# Altium PCB DevKITV3.PcbDoc (part 4 of 5)
Units mm, origin at the board's own origin, x right, y up, seen from the top; angles counter-clockwise.
Board outline 140 x 140 mm, 8 copper layers (Top Layer, Layer 2, Layer 3, Layer 4, Layer 5, Layer 6, Layer 7, Bottom Layer), stack 1.479 mm thick; 438 components, 315 nets, 1726 pads, 441 vias.
Unrouted connection lines stored in the file: 394.
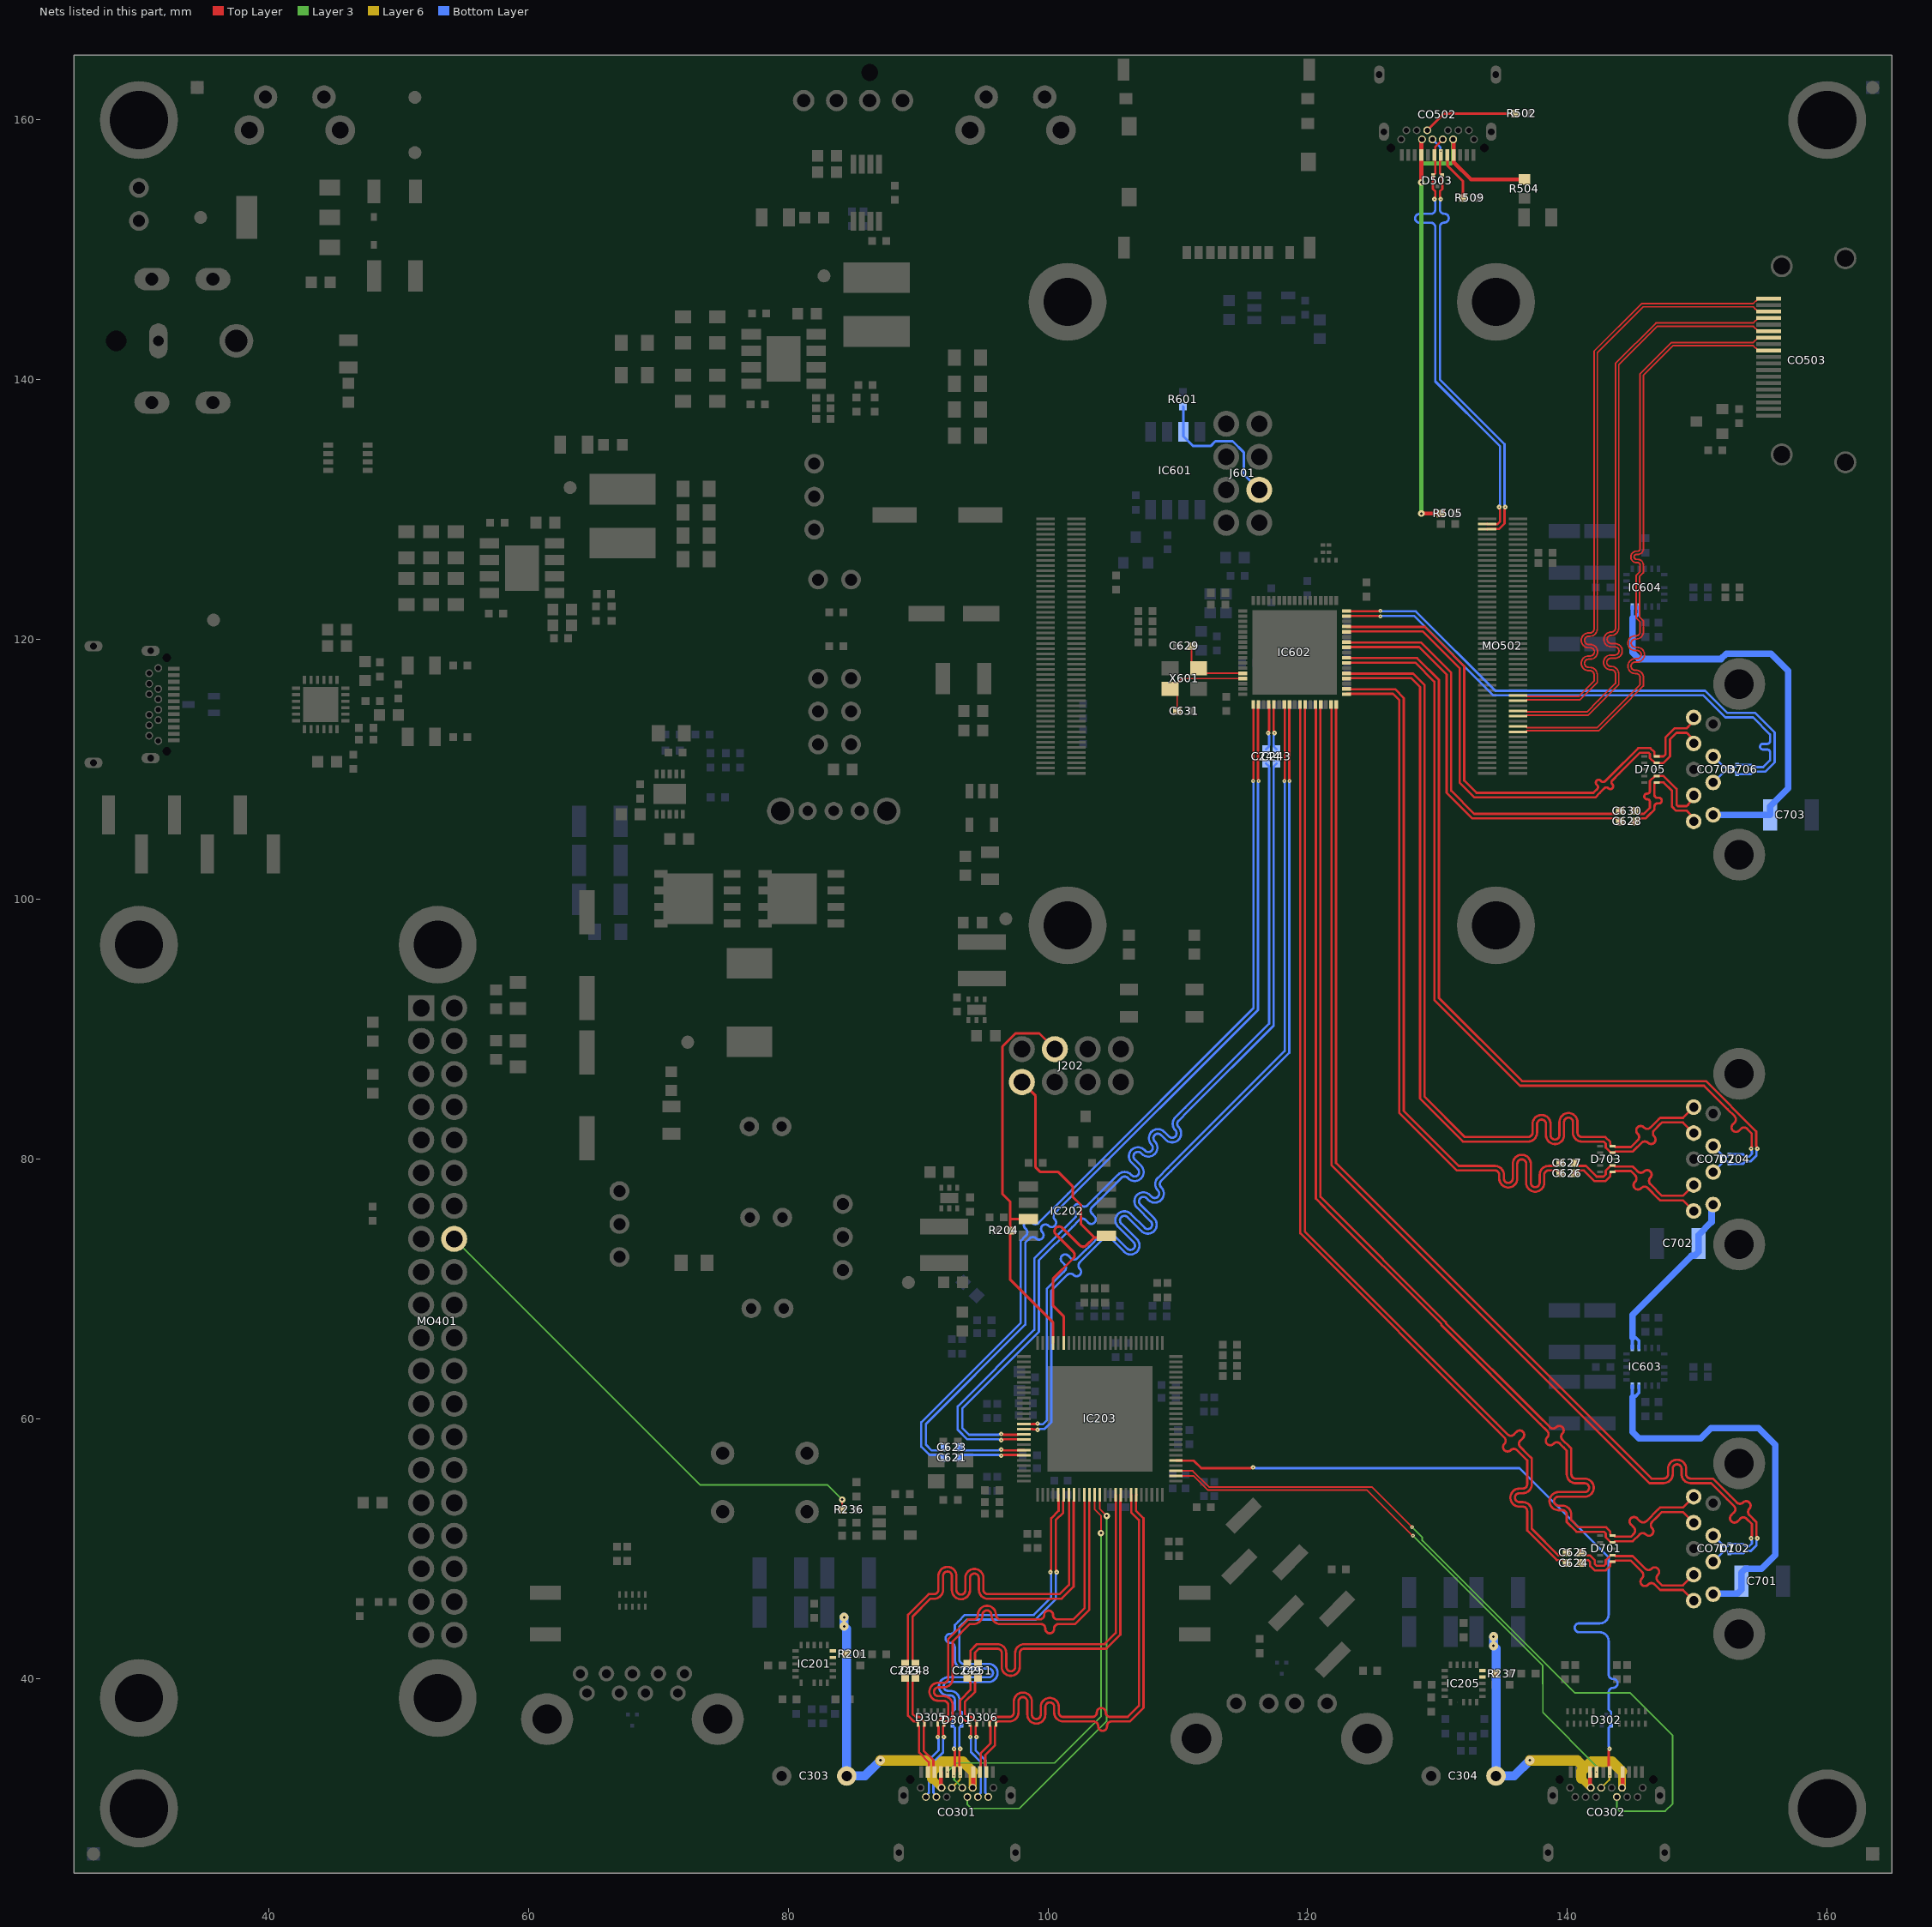
[diagram p10: the nets of this part, all layers, seen from the top]

## Via types
v1: diameter 0.3, hole 0.1, Top Layer to Bottom Layer, 136 vias
v2: diameter 0.35, hole 0.1, Top Layer to Bottom Layer, 106 vias
v3: diameter 1, hole 0.5, Top Layer to Bottom Layer, 54 vias
v4: diameter 0.5, hole 0.2, Top Layer to Bottom Layer, 53 vias
v5: diameter 0.7, hole 0.2, Top Layer to Bottom Layer, 37 vias
v6: diameter 0.6, hole 0.33, Top Layer to Bottom Layer, 36 vias
v7: diameter 0.45, hole 0.2, Top Layer to Bottom Layer, 15 vias
v8: diameter 0.4, hole 0.1, Top Layer to Bottom Layer, 2 vias
v9: diameter 1, hole 0.2, Top Layer to Bottom Layer, 1 vias
v10: diameter 1, hole 0.25, Top Layer to Bottom Layer, 1 vias

## Nets (pads, with @x,y where several pads share a name; then routed paths per layer and width w, separated by ;. In a path a pad name is that pad's centre, name@x,y a point inside that pad or via, vN(x,y) a via of type N, cw(c..) or ccw(c..) an arc to the next point about the centre after c; other vN are vias at no path point) (continued)
SPI_MOSI_U7252: IC202.5 IC203.70 J202.2 | length 30.5
  Top Layer w0.2: J202.2@97.99,85.93 99.05,84.87 99.05,79.367 99.417,79 100.8,79 101.9,77.9 101.9,77.1 102.534,76.466 102.534,75.001 103.567,73.967 ; IC203.70@101.2,65.85 101.2,67.9 100.4,68.7 100.4,70.8 101.882,72.282 101.953,72.353 ccw(c101.702,72.603) 101.953,72.853 100.605,74.201 cw(c100.855,74.451) 100.605,74.702 cw(c100.855,74.451) 101.106,74.702 102.453,73.354 ccw(c102.704,73.604) 102.954,73.354 103.567,73.967 ; IC202.5@104.5,74.1 104.367,73.967 103.567,73.967
SPI_WP: IC601.3 J601.3 R601.2 | length 11.2
  Bottom Layer w0.2: R601.2@110.4,137.95 110.43,137.92 IC601.3@110.43,136 110.43,135.65 111.18,134.9 112.519,134.9 112.889,135.27 114.227,135.27 115.07,134.427 115.07,132.73 J601.3@116.27,131.53
SPI_WP_U7252: IC202.3 IC203.72 J202.3 R204.1 | length 30.8
  Top Layer w0.2: IC202.3@98.5,75.37 97.1,75.37 ; IC203.72@100.4,65.85 100.4,67.4 97.1,70.7 97.1,75.37 ; J202.3@100.53,88.47 99.33,89.67 97.493,89.67 96.49,88.667 96.49,77.31 97.1,76.7 97.1,75.37
SSXI: C629.2 IC602.47 X601.1 | length 5.5
  Top Layer w0.125: C629.2@111.05,119.5 111.05,118.287 111.537,117.8 X601.1@111.6,117.8 112,117.4 IC602.47@115,117.4
SSXO: C631.1 IC602.48 X601.3 | length 7.8
  Top Layer w0.125: X601.3@109.4,116.2 X601.3@109.5,116.2 ; C631.1@109.95,114.5 109.95,115.75 X601.3@109.5,116.2 ; IC602.48@115,117 110.3,117 X601.3@109.5,116.2
TD0_N: CO503.9 MO502.184 | length 49.4
  Top Layer w0.125: MO502.184@136.19,112.9 136.805,112.9 136.88,112.974 142.404,112.974 144.004,114.574 145.851,116.421 145.851,116.881 145.851,117.069 ccw(c145.284,117.069) 145.284,117.636 145.218,117.636 cw(c145.218,117.953) 144.901,117.953 cw(c145.218,117.953) 145.218,118.269 145.365,118.269 ccw(c145.365,118.837) 145.933,118.837 ccw(c145.365,118.837) 145.365,119.404 145.218,119.404 cw(c145.218,119.721) 144.901,119.721 cw(c145.218,119.721) 145.218,120.037 145.284,120.037 ccw(c145.284,120.605) 145.851,120.605 145.851,121.346 145.851,121.45 145.551,121.75 145.551,124.842 145.851,125.142 145.851,125.547 145.851,125.735 ccw(c145.411,125.735) 145.411,126.175 145.324,126.175 cw(c145.324,126.365) 145.134,126.365 cw(c145.324,126.365) 145.324,126.554 145.411,126.554 ccw(c145.411,126.995) 145.851,126.995 145.851,127.533 145.851,140.351 148.125,142.625 154.314,142.625 154.387,142.551 154.387,142.533 154.483,142.438 154.513,142.438 154.7,142.25 CO503.9@155.5,142.25
TD0_P: CO503.7 MO502.182 | length 49.4
  Top Layer w0.125: MO502.182@136.19,113.3 136.805,113.3 136.88,113.225 142.3,113.225 143.9,114.825 145.6,116.525 145.6,116.881 145.6,117.069 ccw(c145.284,117.069) 145.284,117.385 145.218,117.385 cw(c145.218,117.953) 144.65,117.953 cw(c145.218,117.953) 145.218,118.52 145.365,118.52 ccw(c145.365,118.837) 145.682,118.837 ccw(c145.365,118.837) 145.365,119.153 145.218,119.153 cw(c145.218,119.721) 144.65,119.721 cw(c145.218,119.721) 145.218,120.288 145.284,120.288 ccw(c145.284,120.605) 145.6,120.605 145.6,121.346 145.3,121.646 145.3,124.946 145.6,125.246 145.6,125.547 145.6,125.735 ccw(c145.411,125.735) 145.411,125.924 145.324,125.924 cw(c145.324,126.365) 144.883,126.365 cw(c145.324,126.365) 145.324,126.805 145.411,126.805 ccw(c145.411,126.995) 145.6,126.995 145.6,127.533 145.6,140.455 148.021,142.876 154.314,142.876 154.387,142.949 154.387,142.967 154.483,143.063 154.513,143.063 154.7,143.25 CO503.7@155.5,143.25
TD1_N: CO503.6 MO502.178 | length 49
  Top Layer w0.125: MO502.178@136.19,114.1 136.805,114.1 136.88,114.174 141.604,114.174 142.479,115.049 143.951,116.521 143.951,117.169 143.951,117.357 ccw(c143.384,117.357) 143.384,117.925 143.345,117.925 cw(c143.345,118.241) 143.028,118.241 cw(c143.345,118.241) 143.345,118.558 143.653,118.558 ccw(c143.653,119.125) 144.22,119.125 ccw(c143.653,119.125) 143.653,119.693 143.373,119.693 cw(c143.373,120.009) 143.056,120.009 cw(c143.373,120.009) 143.373,120.326 143.384,120.326 ccw(c143.384,120.893) 143.951,120.893 143.951,125.188 143.951,141.151 146.925,144.125 154.314,144.125 154.387,144.051 154.387,144.033 154.483,143.937 154.513,143.937 154.7,143.75 CO503.6@155.5,143.75
TD1_P: CO503.4 MO502.176 | length 49
  Top Layer w0.125: MO502.176@136.19,114.5 136.805,114.5 136.88,114.425 141.5,114.425 142.375,115.3 143.7,116.625 143.7,117.169 143.7,117.357 ccw(c143.384,117.357) 143.384,117.674 143.345,117.674 cw(c143.345,118.241) 142.777,118.241 cw(c143.345,118.241) 143.345,118.809 143.653,118.809 ccw(c143.653,119.125) 143.969,119.125 ccw(c143.653,119.125) 143.653,119.442 143.373,119.442 cw(c143.373,120.009) 142.805,120.009 cw(c143.373,120.009) 143.373,120.577 143.384,120.577 ccw(c143.384,120.893) 143.7,120.893 143.7,125.188 143.7,141.255 146.821,144.376 154.314,144.376 154.387,144.449 154.387,144.467 154.483,144.563 154.512,144.563 154.7,144.75 CO503.4@155.5,144.75
TD2_N: CO503.3 MO502.172 | length 49.4
  Top Layer w0.125: MO502.172@136.19,115.3 136.805,115.3 136.88,115.375 140.979,115.375 141.279,115.674 142.3,116.695 142.3,117.1 142.3,117.288 ccw(c141.733,117.288) 141.733,117.856 141.631,117.856 cw(c141.631,118.172) 141.314,118.172 cw(c141.631,118.172) 141.631,118.489 141.757,118.489 ccw(c141.757,119.056) 142.324,119.056 ccw(c141.757,119.056) 141.757,119.624 141.631,119.624 cw(c141.631,119.94) 141.314,119.94 cw(c141.631,119.94) 141.631,120.257 141.733,120.257 ccw(c141.733,120.824) 142.3,120.824 142.3,124.5 142.3,142.1 145.825,145.625 154.314,145.625 154.387,145.551 154.387,145.533 154.483,145.437 154.513,145.437 154.7,145.25 CO503.3@155.5,145.25
TD2_P: CO503.1 MO502.170 | length 49.4
  Top Layer w0.125: MO502.170@136.19,115.7 136.805,115.7 136.879,115.626 140.875,115.626 141.175,115.925 142.049,116.799 142.049,117.1 142.049,117.288 ccw(c141.733,117.288) 141.733,117.605 141.631,117.605 cw(c141.631,118.172) 141.063,118.172 cw(c141.631,118.172) 141.631,118.74 141.757,118.74 ccw(c141.757,119.056) 142.073,119.056 ccw(c141.757,119.056) 141.757,119.373 141.631,119.373 cw(c141.631,119.94) 141.063,119.94 cw(c141.631,119.94) 141.631,120.508 141.733,120.508 ccw(c141.733,120.824) 142.049,120.824 142.049,124.5 142.049,142.204 145.721,145.876 154.314,145.876 154.387,145.949 154.387,145.967 154.483,146.063 154.512,146.063 154.7,146.25 CO503.1@155.5,146.25
USB2D1_N: IC203.90 IC602.59 | length 76
  Top Layer w0.176: IC203.90@98.15,59.2 98.162,59.212 98.611,59.212 98.623,59.224 98.8,59.224 98.828,59.196 99.167,59.196 v2(99.2,59.162) ; IC602.59@118.6,115 118.576,114.976 118.576,109.224 118.589,109.211 118.589,109.124 v1(118.613,109.1)
  Bottom Layer w0.176: v2(99.2,59.162) 99.233,59.196 99.356,59.196 99.385,59.224 99.746,59.224 100.252,59.73 100.252,69.854 100.933,70.535 101.478,71.081 cw(c101.72,70.839) 101.962,71.081 ccw(c102.204,71.323) 102.446,71.081 ccw(c102.204,71.323) 102.446,71.564 cw(c102.688,71.806) 102.446,72.048 103.341,72.944 103.399,73.001 104.318,73.92 cw(c104.56,73.679) 104.802,73.92 105.865,72.857 ccw(c106.356,73.348) 106.846,72.856 ; 106.847,72.857 ccw(c106.356,73.348) 106.847,73.838 105.644,75.041 cw(c105.885,75.283) 106.127,75.525 107.19,74.462 ccw(c107.681,74.953) 108.171,74.461 ; 108.173,74.463 ccw(c107.681,74.953) 108.172,75.443 107.109,76.507 cw(c107.351,76.748) 107.592,76.99 107.732,76.851 ccw(c108.223,77.341) 108.713,76.85 ; 108.714,76.851 ccw(c108.223,77.341) 108.714,77.832 cw(c108.955,78.074) 108.713,78.316 109.482,79.084 118.576,88.178 118.576,108.976 118.589,108.989 118.589,109.076 v1(118.613,109.1)
USB2D1_P: IC203.89 IC602.58 | length 76
  Top Layer w0.176: IC203.89@98.15,59.6 98.162,59.588 98.611,59.588 98.623,59.576 98.8,59.576 98.828,59.604 99.167,59.604 v2(99.2,59.638) ; v1(118.188,109.1) 118.211,109.124 118.211,109.211 118.224,109.224 118.224,114.976 IC602.58@118.2,115
  Bottom Layer w0.176: v2(99.2,59.638) 99.233,59.604 99.356,59.604 99.385,59.576 99.6,59.576 99.9,59.876 99.9,70 101.223,71.323 101.285,71.385 ccw(c101.043,71.627) 101.285,71.869 101.079,72.075 cw(c101.321,72.317) 101.079,72.559 cw(c101.321,72.317) 101.563,72.559 101.769,72.353 ccw(c102.011,72.594) 102.253,72.353 102.905,73.005 103.15,73.25 104.069,74.169 cw(c104.56,73.679) 105.051,74.169 106.114,73.106 ccw(c106.356,73.348) 106.598,73.589 105.395,74.793 cw(c105.885,75.283) 105.394,75.773 ; 105.395,75.775 cw(c105.885,75.283) 106.376,75.774 107.439,74.711 ccw(c107.681,74.953) 107.923,75.194 106.86,76.258 cw(c107.351,76.748) 106.859,77.238 ; 106.86,77.24 cw(c107.351,76.748) 107.841,77.239 107.981,77.099 ccw(c108.223,77.341) 108.465,77.582 cw(c108.955,78.074) 108.465,78.565 109.233,79.333 118.224,88.324 118.224,108.976 118.211,108.989 118.211,109.076 v1(118.188,109.1)
USB2D2_N: CO701.2 D702.1 IC602.68 | length 87.8
  Top Layer w0.176: IC602.68@122.2,115 122.176,114.976 122.176,79.699 146.475,55.4 147.408,55.4 ccw(c147.408,55.742) 147.75,55.742 147.75,56.156 cw(c148.444,56.156) 149.138,56.156 149.138,55.742 ccw(c149.48,55.742) 149.48,55.4 150.78,55.4 151.2,55.4 152.509,54.091 153.039,53.561 ccw(c153.281,53.803) 153.522,53.561 cw(c153.764,53.319) 154.006,53.561 cw(c153.764,53.319) 154.006,53.078 ccw(c154.248,52.836) 154.006,52.594 154.552,52.048 154.552,50.985 154.58,50.956 154.58,50.833 v2(154.614,50.8)
  Bottom Layer w0.176: CO701.2@151.22,49 152.044,49.824 152.31,49.824 152.413,49.721 152.413,49.712 D702.1@152.475,49.65 152.488,49.637 153.528,49.637 153.715,49.824 154.122,49.824 154.552,50.254 154.552,50.615 154.58,50.644 154.58,50.767 v2(154.614,50.8)
USB2D2_P: CO701.3 D702.2 IC602.67 | length 87.8
  Top Layer w0.176: IC602.67@121.8,115 121.824,114.976 121.824,79.553 146.329,55.048 146.475,55.048 147.408,55.048 ccw(c147.408,55.742) 148.102,55.742 148.102,56.156 cw(c148.444,56.156) 148.786,56.156 148.786,55.742 ccw(c149.48,55.742) 149.48,55.048 150.78,55.048 151.054,55.048 152.278,53.824 152.824,53.279 cw(c152.582,53.037) 152.824,52.795 152.617,52.589 ccw(c152.859,52.347) 152.617,52.105 ccw(c152.859,52.347) 153.101,52.105 153.307,52.311 cw(c153.549,52.069) 153.791,52.311 154.2,51.902 154.2,50.985 154.172,50.956 154.172,50.833 v2(154.138,50.8)
  Bottom Layer w0.176: CO701.3@151.22,51 152.044,50.176 152.31,50.176 152.413,50.279 152.413,50.288 D702.2@152.475,50.35 152.488,50.363 153.528,50.363 153.715,50.176 153.976,50.176 154.2,50.4 154.2,50.615 154.172,50.644 154.172,50.767 v2(154.138,50.8)
USB2D3_N: CO702.2 D704.1 IC602.8 | length 66.9
  Top Layer w0.176: IC602.8@123,118.6 123.024,118.576 128.422,118.576 130.1,116.898 130.1,92.4 136.5,86 136.677,86 140.08,86 150.66,86 154.538,82.122 154.538,80.999 154.58,80.956 154.58,80.833 v2(154.614,80.8)
  Bottom Layer w0.176: CO702.2@151.22,79 152.044,79.824 152.31,79.824 152.413,79.721 152.413,79.712 D704.1@152.475,79.65 152.488,79.637 153.528,79.637 153.715,79.824 154.122,79.824 154.552,80.254 154.552,80.615 154.58,80.644 154.58,80.767 v2(154.614,80.8)
USB2D3_P: CO702.3 D704.2 IC602.7 | length 66.9
  Top Layer w0.176: IC602.7@123,118.2 123.024,118.224 128.276,118.224 129.748,116.752 129.748,92.254 136.354,85.648 150.15,85.648 150.515,85.648 152.324,83.838 152.87,83.292 cw(c152.628,83.051) 152.87,82.809 152.737,82.675 ccw(c152.979,82.434) 152.737,82.192 ccw(c152.979,82.434) 153.22,82.192 153.354,82.325 cw(c153.596,82.083) 153.837,82.325 154.186,81.977 154.186,80.97 ; v2(154.138,80.8) 154.172,80.833 154.172,80.956 154.186,80.97 ; 154.2,80.985 154.186,80.97
  Bottom Layer w0.176: CO702.3@151.22,81 152.044,80.176 152.31,80.176 152.413,80.279 152.413,80.288 D704.2@152.475,80.35 152.488,80.363 153.528,80.363 153.715,80.176 153.976,80.176 154.2,80.4 154.2,80.615 154.172,80.644 154.172,80.767 v2(154.138,80.8)
USB2D4_N: CO703.2 D706.1 IC602.17 | length 44.7
  Top Layer w0.176: IC602.17@123,122.2 123.024,122.176 125.476,122.176 125.489,122.189 125.576,122.189 v1(125.6,122.213)
  Bottom Layer w0.176: v1(125.6,122.213) 125.624,122.189 125.711,122.189 125.724,122.176 128.322,122.176 134.446,116.052 150.608,116.052 152.303,114.357 154.441,114.357 155.952,112.846 155.952,110.554 155.222,109.824 154.315,109.824 154.141,109.65 153.663,109.65 153.65,109.637 153.088,109.637 153.013,109.712 153.013,109.721 152.91,109.824 152.044,109.824 CO703.2@151.22,109
USB2D4_P: CO703.3 D706.2 IC602.16 | length 44.7
  Top Layer w0.176: IC602.16@123,121.8 123.024,121.824 125.476,121.824 125.489,121.811 125.576,121.811 v1(125.6,121.788)
  Bottom Layer w0.176: v1(125.6,121.788) 125.624,121.811 125.711,121.811 125.724,121.824 128.176,121.824 134.3,115.7 150.463,115.7 152.158,114.005 154.295,114.005 155.6,112.7 155.6,112.182 cw(c155.385,112.182) 155.385,111.967 155.047,111.967 ccw(c155.047,111.752) 154.832,111.752 ccw(c155.047,111.752) 155.047,111.537 155.385,111.537 cw(c155.385,111.322) 155.6,111.322 155.6,110.931 155.6,110.7 155.076,110.176 154.315,110.176 154.141,110.35 153.663,110.35 153.65,110.363 153.088,110.363 153.013,110.288 153.013,110.279 152.91,110.176 152.044,110.176 CO703.3@151.22,111
USB3-2_5V: C701.1 CO701.1 IC603.4 IC603.5 | length 32.1
  Bottom Layer w0.25: 145,61.65 145,61.75 ; IC603.5@145,62.55 145,61.75 ; IC603.4@145.5,62.55 145.5,62 145.25,61.75 145,61.75
  Bottom Layer w0.5: 145,61.65 145,59 145.5,58.5 150.25,58.5 151.043,59.293 154.707,59.293 156,58 156,49.5 154.95,48.45 153.7,48.45 153.4,48.15 C701.1@153.4,47.5 153.4,46.85 153.1,46.55 151.27,46.55 CO701.1@151.22,46.5
USB3-3_5V: C702.1 CO702.1 IC603.11 IC603.12 | length 15
  Bottom Layer w0.25: IC603.11@145,65.45 145,66.25 ; 145,66.35 145,66.25 ; IC603.12@145.5,65.45 145.5,66 145.25,66.25 145,66.25
  Bottom Layer w0.5: 145,66.25 145,68 145.275,68.275 ; 145.275,68.276 145.524,68.525 ; 145.525,68.525 149.55,72.55 149.8,72.55 150.1,72.85 150.1,74.15 151.1,75.15 151.1,76.38 CO702.1@151.22,76.5
USB3-4_5V: C703.1 CO703.1 IC604.4 IC604.5 | length 33.7
  Bottom Layer w0.25: 145,121.65 145,121.75 ; IC604.5@145,122.55 145,121.75 ; IC604.4@145.5,122.55 145.5,122 145.25,121.75 145,121.75
  Bottom Layer w0.5: 145,121.65 145,119 145.5,118.5 151.5,118.5 151.827,118.5 152.247,118.92 155.66,118.92 157,117.58 157,108.55 155.6,107.15 C703.1@155.6,106.5 CO703.1@151.22,106.5
USB3RX1_N: C244.2 IC602.55 | length 3.6
  Top Layer w0.176: v2(116.962,112.8) 116.996,112.833 116.996,112.956 117.024,112.985 117.024,114.976 IC602.55@117,115
  Bottom Layer w0.176: C244.2@116.8,111.55 117.012,111.762 117.012,111.853 117.024,111.865 117.024,112.011 117.024,112.615 116.996,112.644 116.996,112.767 v2(116.962,112.8)
USB3RX1_P: C243.2 IC602.56 | length 3.6
  Top Layer w0.176: IC602.56@117.4,115 117.376,114.976 117.376,112.985 117.404,112.956 117.404,112.833 v2(117.438,112.8)
  Bottom Layer w0.176: v2(117.438,112.8) 117.404,112.767 117.404,112.644 117.376,112.615 117.376,112.157 117.376,111.865 117.388,111.853 117.388,111.762 C243.2@117.6,111.55
USB3RX2_N: CO701.5 D701.5 IC602.65 | length 89.2
  Top Layer w0.176: IC602.65@121,115 120.976,114.976 120.976,77.101 130.644,67.433 130.644,67.356 137.658,60.342 138.647,59.353 ccw(c138.888,59.595) 139.13,59.353 cw(c139.372,59.112) 139.614,59.353 cw(c139.372,59.112) 139.614,58.87 ccw(c139.856,58.628) 139.614,58.386 140.16,57.84 140.298,57.702 140.298,57.341 140.298,55.734 ccw(c140.64,55.734) 140.64,55.392 141.327,55.392 cw(c141.327,54.698) 141.327,54.004 139.308,54.004 ccw(c139.308,53.662) 139.308,53.32 139.604,53.32 cw(c139.604,52.626) 140.298,52.626 140.298,52.362 140.298,52.202 140.848,51.652 142.974,51.652 143.302,51.324 143.302,51.115 143.326,51.092 143.326,51.012 143.338,51 D701.5@143.475,51 143.613,51 143.687,50.926 144.885,50.926 145.047,51.088 145.109,51.151 ccw(c144.867,51.392) 145.109,51.634 144.883,51.86 cw(c145.125,52.102) 144.883,52.344 cw(c145.125,52.102) 145.367,52.344 145.593,52.118 ccw(c145.835,52.36) 146.076,52.118 146.987,53.028 147.134,53.176 148.896,53.176 CO701.5@149.72,54
USB3RX2_P: CO701.6 D701.4 IC602.64 | length 89.2
  Top Layer w0.176: IC602.64@120.6,115 120.624,114.976 120.624,76.955 121.29,76.29 ; 121.328,76.251 130.292,67.287 130.292,67.211 137.901,59.601 138.447,59.055 cw(c138.205,58.813) 138.447,58.572 138.43,58.555 ccw(c138.672,58.313) 138.43,58.071 ccw(c138.672,58.313) 138.914,58.071 138.931,58.088 cw(c139.172,57.846) 139.414,58.088 139.724,57.779 139.946,57.556 139.946,57.341 139.946,55.734 ccw(c140.64,55.734) 140.64,55.04 141.327,55.04 cw(c141.327,54.698) 141.327,54.356 139.308,54.356 ccw(c139.308,53.662) 139.308,52.968 139.604,52.968 cw(c139.604,52.626) 139.946,52.626 139.946,52.362 139.946,52.056 140.702,51.3 142.828,51.3 142.951,51.178 142.951,50.887 143.338,50.5 D701.4@143.475,50.5 143.613,50.5 143.687,50.574 144.981,50.574 145.03,50.574 145.551,51.095 cw(c145.793,50.853) 146.035,51.095 ccw(c146.277,51.337) 146.519,51.095 ccw(c146.277,51.337) 146.519,51.579 cw(c146.761,51.821) 146.519,52.062 146.908,52.452 147.28,52.824 148.896,52.824 CO701.6@149.72,52
USB3RX3_N: CO702.5 D703.5 IC602.5 | length 68.4
  Top Layer w0.176: IC602.5@123,117.4 123.024,117.376 128.122,117.376 129,116.498 129,84.8 132.1,81.7 135.853,81.7 136.971,81.7 ccw(c136.971,82.042) 137.313,82.042 137.313,82.701 cw(c138.007,82.701) 138.701,82.701 138.701,81.845 ccw(c139.043,81.845) 139.385,81.845 139.385,82.851 cw(c140.079,82.851) 140.773,82.851 140.773,82.042 ccw(c141.115,82.042) 141.115,81.7 142.415,81.7 142.926,81.7 143.302,81.324 143.302,81.115 143.326,81.092 143.326,81.012 143.338,81 D703.5@143.475,81 143.613,81 143.687,80.926 144.885,80.926 145.355,81.396 145.417,81.459 ccw(c145.175,81.701) 145.417,81.942 145.395,81.965 cw(c145.637,82.206) 145.395,82.448 cw(c145.637,82.206) 145.879,82.448 145.901,82.426 ccw(c146.143,82.668) 146.385,82.426 147.029,83.071 147.134,83.176 148.896,83.176 CO702.5@149.72,84
USB3RX3_P: CO702.6 D703.4 IC602.4 | length 68.4
  Top Layer w0.176: IC602.4@123,117 123.024,117.024 127.976,117.024 128.648,116.352 128.648,84.654 131.954,81.348 135.853,81.348 136.971,81.348 ccw(c136.971,82.042) 137.665,82.042 137.665,82.701 cw(c138.007,82.701) 138.349,82.701 138.349,81.845 ccw(c139.043,81.845) 139.737,81.845 139.737,82.851 cw(c140.079,82.851) 140.421,82.851 140.421,82.042 ccw(c141.115,82.042) 141.115,81.348 142.415,81.348 142.78,81.348 142.951,81.178 142.951,80.887 143.338,80.5 D703.4@143.475,80.5 143.613,80.5 143.687,80.574 145.03,80.574 145.17,80.714 145.716,81.26 cw(c145.958,81.018) 146.2,81.26 ccw(c146.441,81.501) 146.683,81.26 ccw(c146.441,81.501) 146.683,81.743 cw(c146.925,81.985) 146.683,82.227 147.156,82.7 147.28,82.824 148.896,82.824 CO702.6@149.72,82